# Altium PCB JetsonNano_v1.PcbDoc
Units mm, origin at the board's own origin, x right, y up, seen from the top; angles counter-clockwise.
Board outline 77.8 x 76.8 mm, 2 copper layers (Top Layer, Bottom Layer); 107 components, 87 nets, 452 pads, 102 vias.
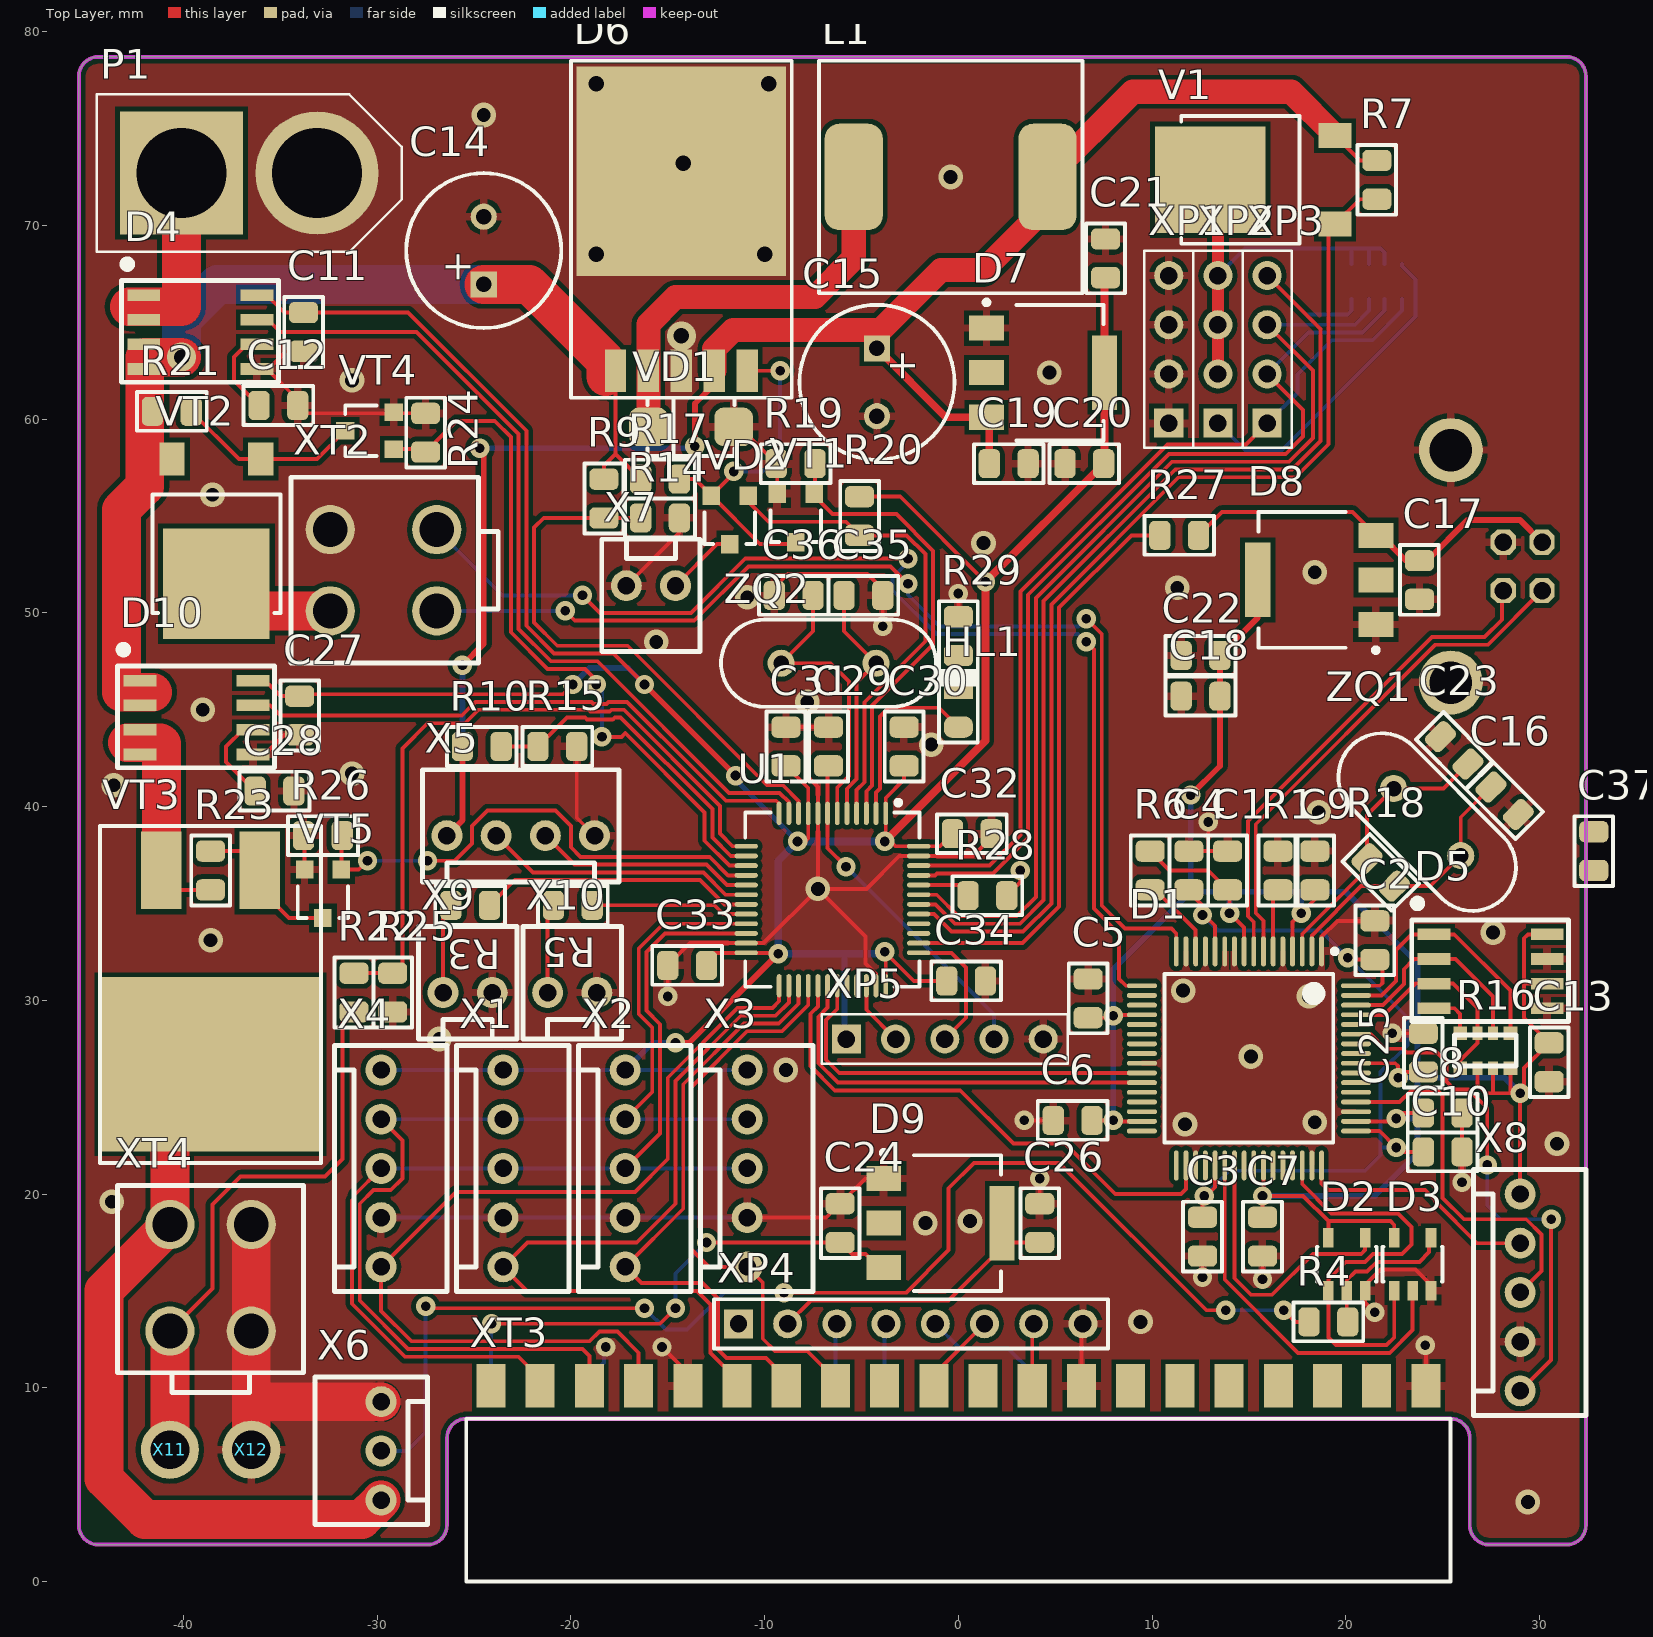
[diagram p0: Top Layer view]
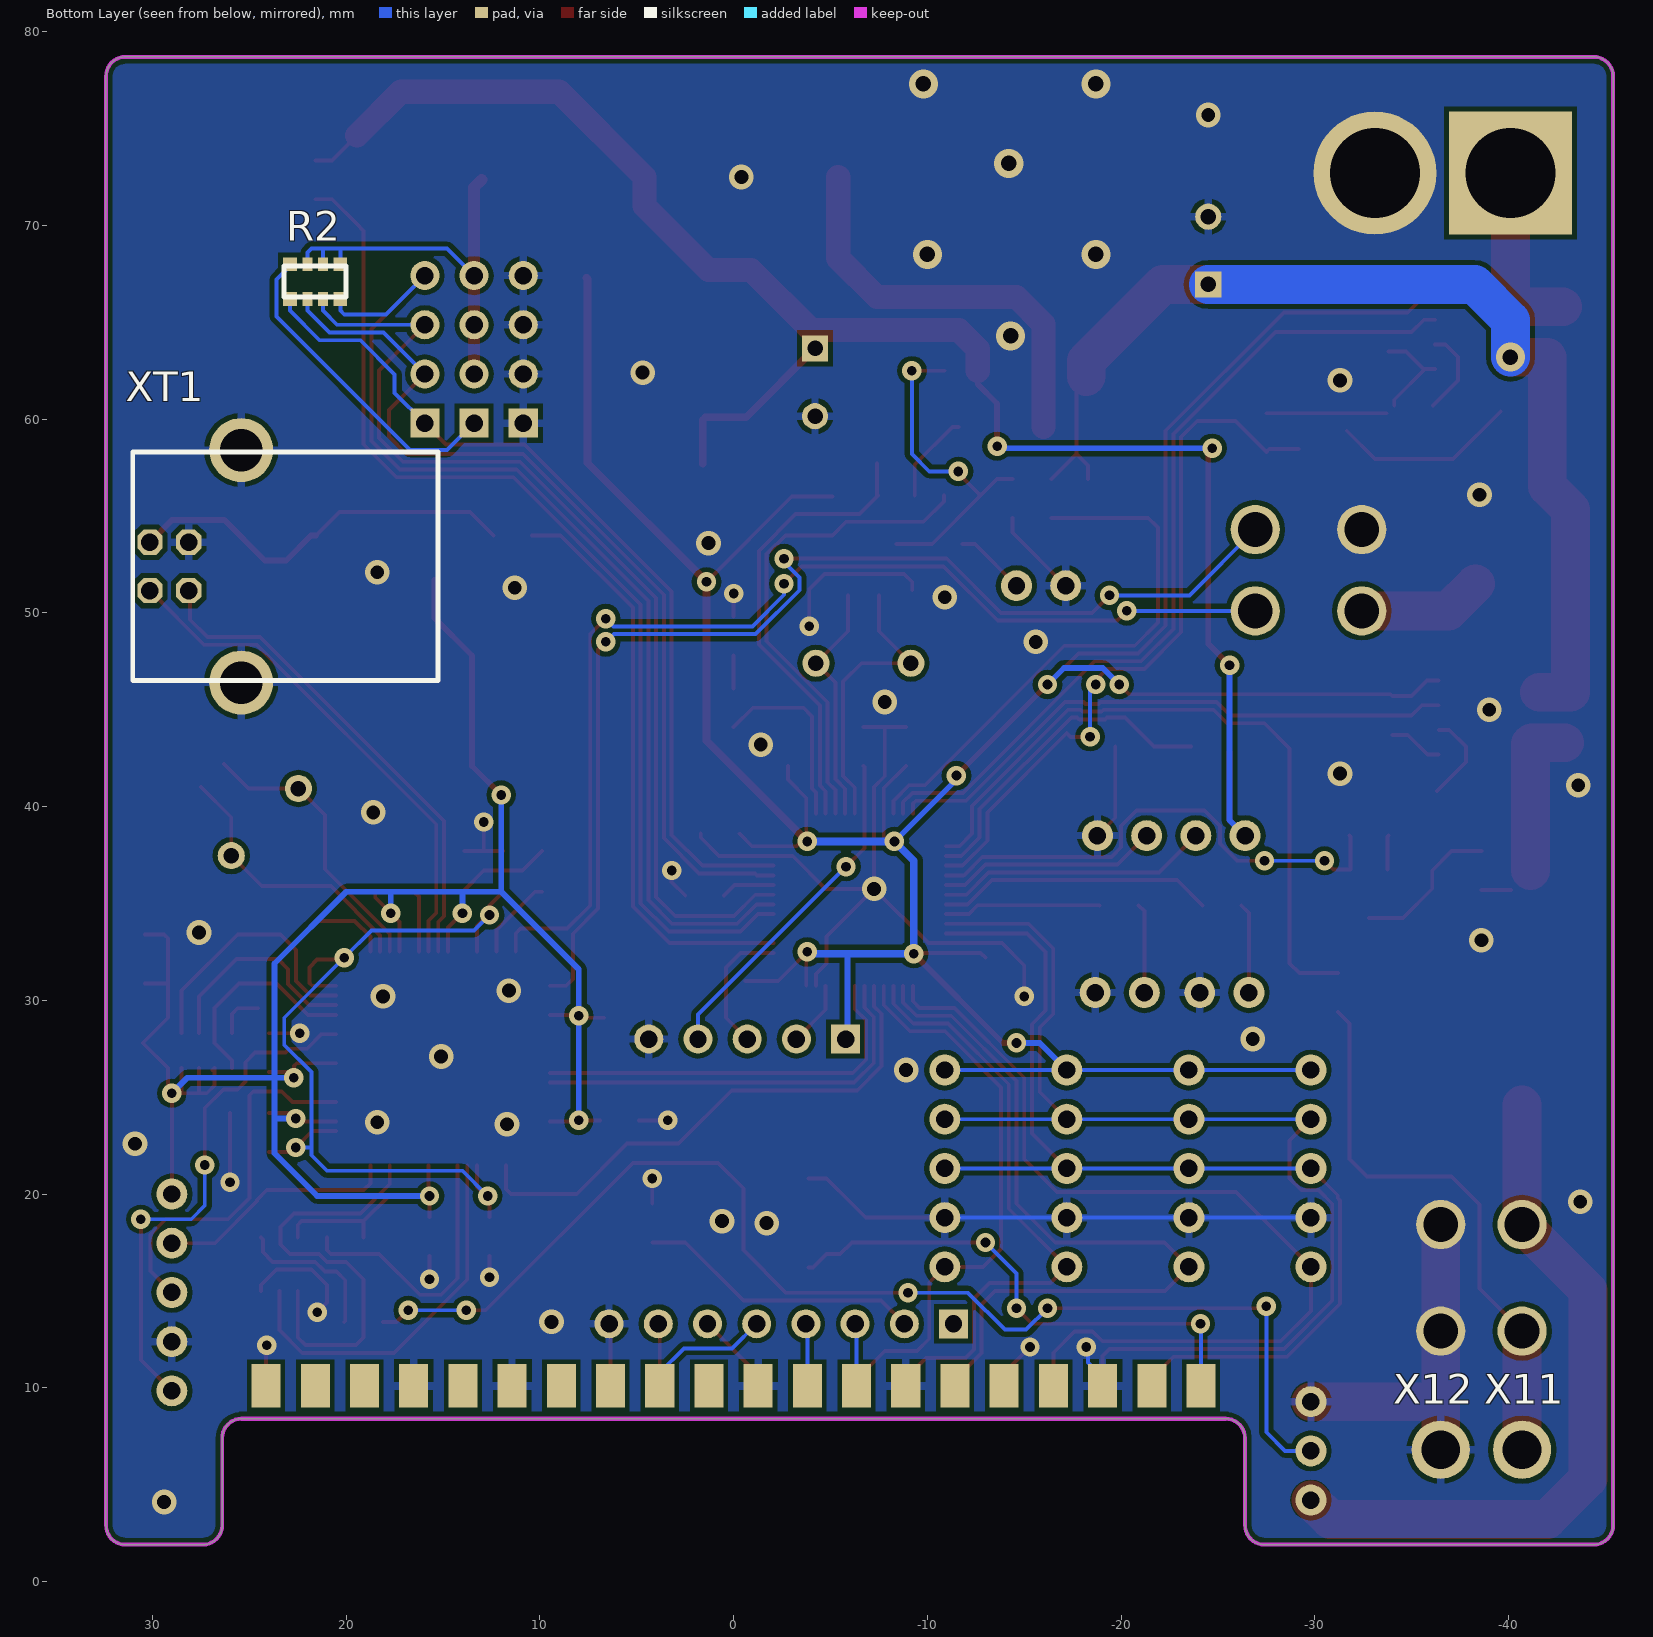
[diagram p1: Bottom Layer view, seen from below]

## Layer stack, top to bottom
Top Solder: solder mask 0.0102, Solder Resist, Dk 3.5
Top Layer: signal copper 0.0356
Dielectric 1: dielectric 0.32, FR-4, Dk 4.8
Bottom Layer: signal copper 0.0356
Bottom Solder: solder mask 0.0102, Solder Resist, Dk 3.5

## Board outline
-44.4,1.9 cw(c-44.4,2.9) -45.4,2.9 -45.4,77.7 cw(c-44.4,77.7) -44.4,78.7 31.4,78.7 cw(c31.4,77.7) 32.4,77.7 32.4,2.9 cw(c31.4,2.9) 31.4,1.9 27.4,1.9 cw(c27.4,2.9) 26.4,2.9 26.4,7.4 ccw(c25.4,7.4) 25.4,8.4 -25.395,8.4 ccw(c-25.395,7.4) -26.395,7.4 -26.395,2.9 -26.4,2.9 cw(c-27.4,2.9) -27.4,1.9

## Design rules (kind name [scope] priority, off if disabled: settings)
BoardOutlineClearance [All] p1: gap=0.254 except(0: Arc-SplitContinuation Track-SplitContinuation SMDPad-SplitContinuation THPad-SplitContinuation Via-SplitContinuation Fill-SplitContinuation Poly-SplitContinuation Region-SplitContinuation Text-SplitContinuation)
Clearance [All] p1: gap=0.2 except(0.25: Arc-Poly Track-Poly SMDPad-Poly THPad-Poly Via-Poly Fill-Poly Poly-Poly)
HoleSize [All] p1: absolutevalues=TRUE maxlimit=5 minlimit=0.025 maxpercent=80.000 minpercent=20.000
PolygonConnect PolygonConnect_1 [HasFootprint('MKS1854-2')] p1: connectstyle=Direct reliefconductorwidth=0.254 reliefentries=4 polygonreliefangle="90 Angle" airgapwidth=0.254
PolygonConnect PolygonConnect_ToVia [IsVia or HasFootprint('HTSSOP-56 - top') or HasFootprint('TO-263') or HasFootprint('MF-04MB')  or HasFootprint('XT60')] p2: connectstyle=Direct reliefconductorwidth=0.254 reliefentries=4 polygonreliefangle="90 Angle" airgapwidth=0.254
PolygonConnect [All] p3: connectstyle=Relief reliefconductorwidth=0.4 reliefentries=4 polygonreliefangle="90 Angle" airgapwidth=0.254 // 2
RoutingVias [All] p1: holewidth=0.5 width=1 viastyle="Through Hole" minholewidth=0.5 minwidth=1 maxholewidth=4 maxwidth=6
SolderMaskExpansion [All] p1: expansion=0.102
Width [All] p1: maxlimit=4 minlimit=0.2 preferedwidth=0.2 minimp=50.000000 maximp=50.000000 favimp=50.000000
29 further rules are at their usual default settings.

## Components (designator, comment, footprint, x,y, rotation, side; value= is the part's Value field where it differs from the comment)
C1 "C0805" 0805 13.9,36.7 r270 top
C2 "C0805" 0805 21.5,33.1 r270 top
C3 "C0805" 0805 12.6,17.8 r90 top
C4 "C0805" 0805 11.9,36.7 r270 top
C5 "C0805" 0805 6.7,30.1 r270 top
C6 "C0805" 0805 5.9,23.8 r0 top
C7 "C0805" 0805 15.7,17.8 r90 top
C8 "C0805" 0805 25,24.175 r180 top
C9 "C0805" 0805 18.4,36.7 r270 top
C10 "C0805" 0805 25,22.175 r180 top
C11 "C0805" 0805 -33.8,64.5 r270 top
C12 "C0805" 0805 -35.1,60.7 r180 top
C13 "C0805" 0805 30.5,26.8 r90 top
C14 "220 мкФ 25В" CAPPR3.5-8x12 -24.5,68.7 r90 top
C15 "220 мкФ 25В" CAPPR3.5-8x12 -4.2,61.9 r270 top
C16 "C0805" 0805 28.2,40.299 r135 top
C17 "C0805" 0805 23.8,51.7 r90 top
C18 "C0805" 0805 12.5,45.7 r0 top
C19 "C0805" 0805 2.6,57.7 r180 top
C20 "C0805" 0805 6.5,57.7 r0 top
C21 "C0805" 0805 7.6,68.3 r270 top
C22 "C0805" 0805 12.5,47.8 r0 top
C23 "C0805" 0805 25.6,42.9 r135 top
C24 "C0805" 0805 -6.1,18.5 r270 top
C25 "C0805" 0805 24,27.3 r270 top
C26 "C0805" 0805 4.2,18.5 r270 top
C27 "C0805" 0805 -34,44.7 r270 top
C28 "C0805" 0805 -35.3,40.8 r180 top
C29 "C0805" 0805 -6.7,43.1 r90 top
C30 "C0805" 0805 -2.8,43.1 r270 top
C31 "C0805" 0805 -8.9,43.1 r270 top
C32 "C0805" 0805 0.7,38.6 r180 top
C33 "C0805" 0805 -14,31.8 r0 top
C34 "C0805" 0805 0.4,31 r180 top
C35 "C0805" 0805 -4.9,50.9 r180 top
C36 "C0805" 0805 -8.5,50.9 r0 top
C37 "C0805" 0805 32.8,37.7 r90 top (schematic designator C13)
D1 "FT4232HL" FT4232HL 15,27 r270 top
D2 "SN74LVC1G125DBV" SOT23-5 20.05,16.375 r0 top
D3 "SN74LVC1G126DBV_1" SOT23-5 23.45,16.375 r0 top
D4 "ACS722LLCTR-40AU-T" SOIC-8 -39.1,64.5 r0 top
D5 "93LCx6DN" SOIC-8 27.5,31.5 r0 top
D6 "LM2596S-5" TO-263 -14.3,70.6 r0 top
D7 "LM1117-3.3" SOT223 4.5,62.4 r270 top
D8 "LM1117-3.3" SOT223 18.5,51.7 r90 top
D9 "LM1117-3.3" SOT223 -0.8,18.5 r270 top
D10 "ACS722LLCTR-20AU-T" SOIC-8 -39.3,44.6 r0 top
HL1 "0805 RED" LED0805 0,45.1 r90 top
L1 "47 uH" CDRH127 -0.4,72.5 r0 top
P1 "XT60M" XT60 -36.6,72.7 r180 top
R1 "R0805" P0805 16.5,36.7 r90 top
R2 "cat16-103j4lf" ResArray4 21.6,67.1 r0 bottom
R3 "R0805 (1%)" P0805 -25.2,34.9 r0 top
R4 "R0805 (1%)" P0805 19.1,13.4 r180 top
R5 "R0805 (1%)" P0805 -19.9,34.9 r0 top
R6 "R0805" P0805 9.9,36.7 r90 top
R7 "R0805 (1%)" P0805 21.6,72.352 r270 top
R9 "R0805 (1%)" P0805 -18.3,55.9 r90 top
R10 "R0805 (1%)" P0805 -24.6,43.1 r180 top
R14 "R0805 (1%)" P0805 -15.4,54.9 r0 top
R15 "R0805 (1%)" P0805 -20.7,43.1 r0 top
R16 "cat16-103j4lf" ResArray4 27.2,27.4 r180 top
R17 "R0805" P0805 -15.4,56.9 r0 top
R18 "R0805" P0805 21.8,36.6 r135 top
R19 "R0805" P0805 -8.4,57.7 r0 top
R20 "R0805" P0805 -5.1,55 r270 top
R21 "R0805 (1%)" P0805 -40.6,60.4 r0 top
R22 "R0805 (1%)" P0805 -31.2,30.4 r270 top
R23 "R0805 (1%)" P0805 -38.6,36.7 r90 top
R24 "R0805" P0805 -27.5,59.3 r270 top
R25 "R0805 (1%)" P0805 -29.2,30.4 r270 top
R26 "R0805" P0805 -32.8,38.5 r0 top
R27 "R0805 (1%)" P0805 11.4,54 r180 top
R28 "R0805" P0805 1.5,35.4 r0 top
R29 "R0805 (1%)" P0805 0,48.8 r270 top
U1 "STM32F103C6T6" LQFP-48 -6.5,35.2 r270 top
V1 "FDD6637" TO-252 13.008,72.352 r90 top
VD1 "SS14" SMA -13.8,59.6 r0 top
VD2 "BAT54C" SOT-23 -11.8,54.8 r180 top
VT1 "IRLML2803" SOT-23 -8.4,54.9 r180 top
VT2 "FDD6637" TO-252 -38.3,51.5 r180 top
VT3 "D2PAK_P_CH" TO-263-2 -38.6,29.5 r180 top
VT4 "IRLML2803" SOT-23 -30.4,59.4 r90 top
VT5 "IRLML2803" SOT-23 -32.8,35.5 r180 top
X1 "WF-5" WF-5 -23.5,26.4 r270 top
X2 "WF-5" WF-5 -17.2,26.4 r270 top
X3 "WF-5" WF-5 -10.9,26.4 r270 top
X4 "WF-5" WF-5 -29.8,26.4 r270 top
X5 "WF-4" WF-4 -26.4,38.5 r0 top
X6 "WF-3" WF-3 -29.8,4.2 r90 top
X7 "WF-2" WF-2 -14.6,51.4 r180 top
X8 "WF-5" WF-5 29,20 r270 top
X9 "WF-2" WF-2 -26.6,30.4 r0 top
X10 "WF-2" WF-2 -21.2,30.4 r0 top
X11 "SP" Pad2 -40.7,6.8 r180 top
X12 "SP" Pad2 -36.5,6.8 r180 top
XP1 "PLS-4" PLS-4 10.86,63.6 r90 top
XP2 "PLS-4" PLS-4 13.4,63.6 r90 top
XP3 "PLS-4" PLS-4 15.94,63.6 r90 top
XP4 "PLS-8" PLS-8 -5,13.3 r0 top
XP5 "PLS-5" PLS-5 -0.7,28 r0 top
XT1 "1734366-1" USB_B 25.42,52.4 r90 bottom
XT2 "MF-04MRA" MF-04MB -32.4,52.2 r90 top
XT3 "PBD-40" PBD-40RB 0,8.4 r0 top
XT4 "MF-04MRA" MF-04MB -38.6,18.4 r0 top
ZQ1 "8 МГц" HC-49/U 24.2,39.2 r315 top
ZQ2 "8 МГц" HC-49/U -6.7,47.4 r180 top

## Footprints (in the part's own frame and the unit in brackets; to place one, negate y for a bottom-side part, rotate by r counter-clockwise, add the part's x,y. Pads: shape width x height; smd on the part's side, far side on the other; paste and mask are expansions set on the pad)
0805 [mm] "Chip Capacitor; Body 2.0 x 1.2 mm (LxW typ)"
  rrect50% 1.1x1.5 smd: 1(-1,0) 2(1,0)
  silkscreen extent -1.8,-1 1.8,1, body extent -1,-0.62 1,0.63, height 1
CAPPR3.5-8x12 [mm] "Capacitor, Electrolytic, Radial; Body 8 x 12 mm (Dia.xH typ); Pin Spacing 3.5 mm (typ)"
  rect 1.35x1.35 hole 0.8: 1(-1.75,0)
  round 1.35 hole 0.8: 2(1.75,0)
  silkscreen extent -4,-4 4,4, body extent -4,-4 4,4, height 12
CDRH127 [mm] "Chip Inductor; Body 12 x 12 mm (LxW typ)"
  rrect50% 3x5.5 smd mask+0.1: 1(-5,0) 2(5,0)
  silkscreen extent -6.8,-6 6.8,6, body extent -6,-6 6,6, height 8
FT4232HL [mm]
  oval 1.55x0.25 smd: 1(-5.525,3.75) 2(-5.525,3.25) 3(-5.525,2.75) 4(-5.525,2.25) 5(-5.525,1.75) 6(-5.525,1.25) 7(-5.525,0.75) 8(-5.525,0.25) 9(-5.525,-0.25) 10(-5.525,-0.75) 11(-5.525,-1.25) 12(-5.525,-1.75) 13(-5.525,-2.25) 14(-5.525,-2.75) 15(-5.525,-3.25) 16(-5.525,-3.75) 33(5.525,-3.75) 34(5.525,-3.25) 35(5.525,-2.75) 36(5.525,-2.25) 37(5.525,-1.75) 38(5.525,-1.25) 39(5.525,-0.75) 40(5.525,-0.25) 41(5.525,0.25) 42(5.525,0.75) 43(5.525,1.25) 44(5.525,1.75) 45(5.525,2.25) 46(5.525,2.75) 47(5.525,3.25) 48(5.525,3.75)
  oval 0.25x1.55 smd: 17(-3.75,-5.525) 18(-3.25,-5.525) 19(-2.75,-5.525) 20(-2.25,-5.525) 21(-1.75,-5.525) 22(-1.25,-5.525) 23(-0.75,-5.525) 24(-0.25,-5.525) 25(0.25,-5.525) 26(0.75,-5.525) 27(1.25,-5.525) 28(1.75,-5.525) 29(2.25,-5.525) 30(2.75,-5.525) 31(3.25,-5.525) 32(3.75,-5.525) 49(3.75,5.525) 50(3.25,5.525) 51(2.75,5.525) 52(2.25,5.525) 53(1.75,5.525) 54(1.25,5.525) 55(0.75,5.525) 56(0.25,5.525) 57(-0.25,5.525) 58(-0.75,5.525) 59(-1.25,5.525) 60(-1.75,5.525) 61(-2.25,5.525) 62(-2.75,5.525) 63(-3.25,5.525) 64(-3.75,5.525)
  silkscreen extent -5.65,-4.35 4.35,4.55, body extent -5,-5 5,5, height 1.6
HC-49/U [mm] "11,5x5,3mm"
  round 1.4 hole 0.8: 1(-2.45,0) 2(2.45,0)
  silkscreen extent -5.55,-2.25 5.55,2.25, body extent -5.5,-2.25 5.48,2.25, height 4.1
LED0805 [mm] "Chip Capacitor; Body 2.0 x 1.2 mm (LxW typ)"
  rrect75% 1.1x1.5 smd: 1(-1,0)
  rect 1.1x1.5 smd: 2(1,0)
  silkscreen extent -1.8,-1 1.8,1, body extent -1.06,-0.46 1,0.45, height 0.85
LQFP-48 [mm] "9x9mm 0.5mm pich"
  oval 1.2x0.25 smd: 1(-4.45,2.75) 2(-4.45,2.25) 3(-4.45,1.75) 4(-4.45,1.25) 5(-4.45,0.75) 6(-4.45,0.25) 7(-4.45,-0.25) 8(-4.45,-0.75) 9(-4.45,-1.25) 10(-4.45,-1.75) 11(-4.45,-2.25) 12(-4.45,-2.75) 25(4.45,-2.75) 26(4.45,-2.25) 27(4.45,-1.75) 28(4.45,-1.25) 29(4.45,-0.75) 30(4.45,-0.25) 31(4.45,0.25) 32(4.45,0.75) 33(4.45,1.25) 34(4.45,1.75) 35(4.45,2.25) 36(4.45,2.75)
  oval 0.25x1.2 smd: 13(-2.75,-4.45) 14(-2.25,-4.45) 15(-1.75,-4.45) 16(-1.25,-4.45) 17(-0.75,-4.45) 18(-0.25,-4.45) 19(0.25,-4.45) 20(0.75,-4.45) 21(1.25,-4.45) 22(1.75,-4.45) 23(2.25,-4.45) 24(2.75,-4.45) 37(2.75,4.45) 38(2.25,4.45) 39(1.75,4.45) 40(1.25,4.45) 41(0.75,4.45) 42(0.25,4.45) 43(-0.25,4.45) 44(-0.75,4.45) 45(-1.25,4.45) 46(-1.75,4.45) 47(-2.25,4.45) 48(-2.75,4.45)
  silkscreen extent -5.1,-4.5 4.5,4.5, body extent -4.5,-4.54 4.5,4.46, height 1.56
MF-04MB [mm] "Mini Fit"
  round 2.54 hole 1.8: 1(-2.1,0.025) 2(2.1,0.025) 3(-2.1,-5.475) 4(2.1,-5.475)
  silkscreen extent -4.8,-8.65 4.8,2.05, body extent -5.2,-8.88 5.2,2.13, height 12.8
P0805 [mm]
  rrect50% 1.1x1.5 smd: 1(-1,0) 2(1,0)
  silkscreen extent -1.8,-1 1.8,1, body extent -1.15,-0.67 1.15,0.68, height 0.76
Pad2 [mm]
  round 3 hole 2: 1(0,0)
PBD-40RB [mm]
  rect 1.5x2.25 smd: 1(-24.125,1.702) 3(-21.585,1.702) 5(-19.045,1.702) 7(-16.505,1.702) 9(-13.965,1.702) 11(-11.425,1.702) 13(-8.885,1.702) 15(-6.345,1.702) 17(-3.805,1.702) 19(-1.265,1.702) 21(1.275,1.702) 23(3.815,1.702) 25(6.355,1.702) 27(8.895,1.702) 29(11.435,1.702) 31(13.975,1.702) 33(16.515,1.702) 35(19.055,1.702) 37(21.595,1.702) 39(24.135,1.702)
  rect 1.5x2.25 smd far side: 2(-24.125,1.702) 4(-21.585,1.702) 6(-19.045,1.702) 8(-16.505,1.702) 10(-13.965,1.702) 12(-11.425,1.702) 14(-8.885,1.702) 16(-6.345,1.702) 18(-3.805,1.702) 20(-1.265,1.702) 22(1.275,1.702) 24(3.815,1.702) 26(6.355,1.702) 28(8.895,1.702) 30(11.435,1.702) 32(13.975,1.702) 34(16.515,1.702) 36(19.055,1.702) 38(21.595,1.702) 40(24.135,1.702)
  silkscreen extent -25.4,-8.4 25.41,0, body extent -25.39,-8.43 25.41,2.67, height 1.54
PLS-4 [mm] "Connector; Header; 4x1 Position"
  rect 1.5x1.5 hole 0.9: 1(-3.81,0)
  round 1.5 hole 0.9: 2(-1.27,0) 3(1.27,0) 4(3.81,0)
  silkscreen extent -5.08,-1.27 5.08,1.27, body extent -5.08,-1.27 5.08,1.27, height 8.44
PLS-5 [mm] "Connector; Header; 4x1 Position"
  rect 1.5x1.5 hole 0.9: 1(-5.08,0)
  round 1.5 hole 0.9: 2(-2.54,0) 3(0,0) 4(2.54,0) 5(5.08,0)
  silkscreen extent -6.35,-1.27 6.35,1.27, body extent -6.35,-1.27 6.35,1.27, height 8.44
PLS-8 [mm] "Connector; Header; 6x1 Position"
  rect 1.5x1.5 hole 0.9: 1(-6.35,0)
  round 1.5 hole 0.9: 2(-3.81,0) 3(-1.27,0) 4(1.27,0) 5(3.81,0) 6(6.35,0) 7(8.89,0) 8(11.43,0)
  silkscreen extent -7.62,-1.27 12.73,1.27, body extent -7.62,-1.27 12.7,1.27, height 8.44
ResArray4 [mm] "Resistors array YC164 CAT16-F4"
  rect 0.7x0.7 smd: 1(-1.3,-0.9) 4(1.3,-0.9) 5(1.3,0.9) 8(-1.3,0.9)
  rect 0.5x0.7 smd: 2(-0.4,-0.9) 3(0.4,-0.9) 6(0.4,0.9) 7(-0.4,0.9)
  silkscreen extent -1.6,-0.8 1.6,0.8, body extent -1.6,-0.8 1.6,0.8, height 0.5
SMA [mm] "DO-214-AC/SMA; 2 C-Bend Leads; Body 5 x 2.7 mm, inc. leads (LxW)"
  rrect50% 2x2 smd: 1(-2.2,0) 2(2.2,0)
  silkscreen extent -2.25,-1.5 2.25,1.5, body extent -2.75,-1.4 2.75,1.4, height 2.6
SOIC-8 [mm]
  rect 1.7x0.6 smd: 1(-2.95,1.9) 2(-2.95,0.63) 3(-2.95,-0.64) 4(-2.95,-1.91) 5(2.9,-1.91) 6(2.9,-0.64) 7(2.9,0.63) 8(2.9,1.9)
  silkscreen extent -4.1,-2.6 4,3.7, body extent -3.1,-2.5 3.1,2.5, height 1.75
SOT23-5 [mm] "SOT-23/SC-74A; 5 Leads; Body 3 x 3 mm, inc. leads (LxW max)"
  rect 0.55x1 smd: 1(-0.95,-1.375) 2(0,-1.375) 3(0.95,-1.375) 4(0.95,1.375) 5(-0.95,1.375)
  silkscreen extent -1.55,-0.9 1.55,0.9, body extent -1.45,-1.4 1.45,1.4, height 1.45
SOT223 [mm]
  rect 1.3x1.8 smd: 1(-2.3,-3.05) 2(0,-3.05) 3(2.3,-3.05)
  rect 3.85x1.3 smd: 4(0,3.05)
  silkscreen extent -3.75,-3.17 3.5,3, body extent -3.3,-3.67 3.4,3.53, height 1.85
SOT-23 [mm] "SOT-23; 3 Leads; Body 3.0 x 2.6 mm, inc. leads (LxW max)"
  rect 0.9x0.95 smd: 1(-0.95,-1.25) 2(0.95,-1.25) 3(0,1.25)
  silkscreen extent -1.3,-0.38 1.3,1.25, body extent -1.5,-1.32 1.5,1.32, height 1.08
TO-252 [mm]
  rect 1.3x1.7 smd: 1(-2.285,-6.44) 3(2.285,-6.44)
  rect 5.5x5.7 smd: 2(0,0)
  silkscreen extent -3.3,-4.6 3.3,1.5, body extent -3.29,-7.07 3.29,2.63, height 2.3
TO-263 [mm]
  rect 1.1x2.2 smd: 1(-3.4,-8.1) 2(-1.7,-8.1) 3(0,-8.1) 4(1.7,-8.1) 5(3.4,-8.1)
  rect 10.8x10.8 smd: 3(0,2.2)
  silkscreen extent -5.7,-9.5 5.7,7.9, body extent -5.08,-8.64 5.08,5.59, height 4.87
TO-263-2 [mm]
  rect 2.08x4 smd: 1(-2.54,-7.2) 3(2.54,-7.2)
  rect 11.5x9 smd: 2(0,2.8)
  silkscreen extent -5.7,-9.5 5.7,7.9, body extent -5.02,-8.72 5.08,6.67, height 4.5